# Altium PCB IceZUM_Core_HX1K.PcbDoc (part 2 of 2) (continued)
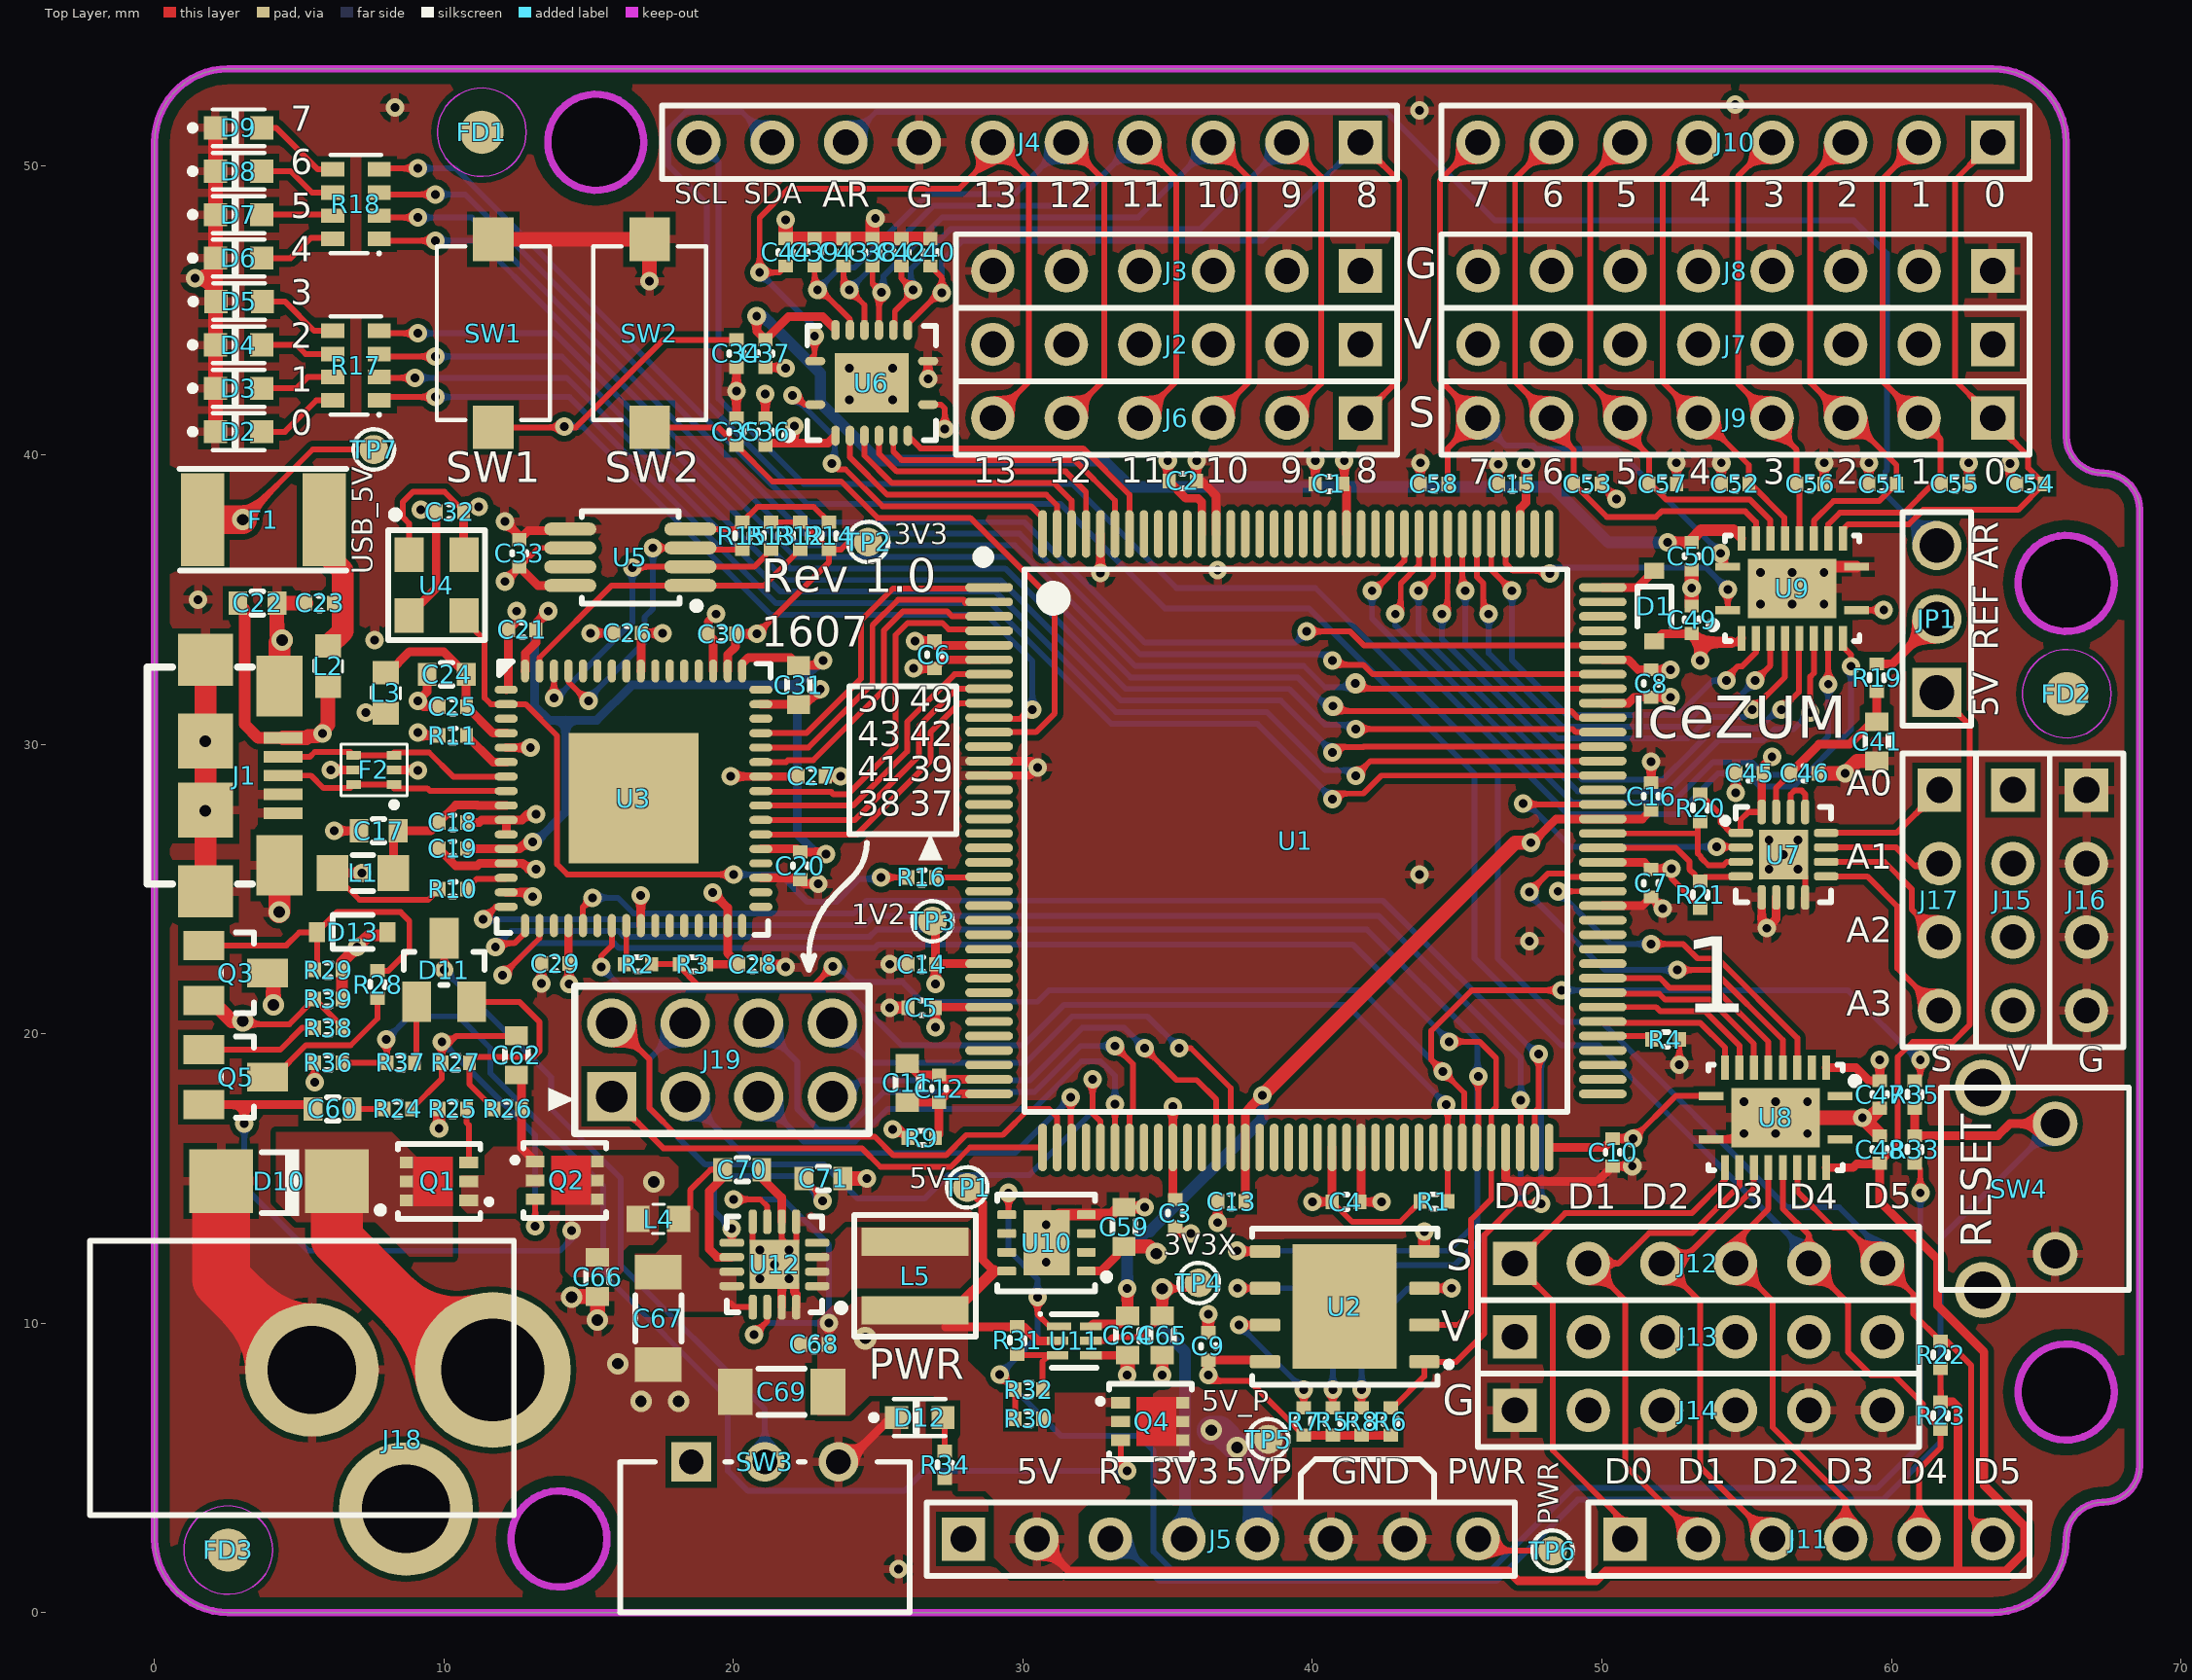
[diagram p0: Top Layer view]
## Nets (pads, with @x,y where several pads share a name; then routed paths per layer and width w, separated by ;. In a path a pad name is that pad's centre, name@x,y a point inside that pad or via, vN(x,y) a via of type N, cw(c..) or ccw(c..) an arc to the next point about the centre after c; other vN are vias at no path point) (continued)
  Bottom Layer w0.2: J19.8@23.408,20.368 24.776,19 30.1,19 31.7,20.6 34.3,20.6 v1(35.4,19.5)
NetJP1_2: JP1.2 R19.1 | length 2.7
  Top Layer w0.3: R19.1@59.5,32.775 60.017,32.775 JP1.2@61.57,34.328
NetL5_1: L5.1 U12.1 U12.2 U12.3
NetQ1_3: Q1.3 R25.1 | length 1.9
  Top Layer w0.2: R25.1@10.775,17.4 10.775,16.925 10.853,16.847 Q1.3@10.853,15.546
NetQ4_3: Q4.3 R36.2 R37.1 | length 40.3
  Top Layer w0.2: R36.2@6.475,19 R37.1@8.025,19 8.025,19.775 v1(8,19.8) ; Q4.3@33.375,5.95 33.375,5.125 v1(33.6,4.9)
  Bottom Layer w0.2: v1(8,19.8) 8.8,20.6 10.5,20.6 11.6,19.5 11.6,18.634 15.5,14.734 15.5,11.7 19.8,7.4 19.8,4.9 20.5,4.2 25.9,4.2 26.6,4.9 v1(33.6,4.9)
NetQ5_1: Q5.1 R38.1 | length 4.1
  Top Layer w0.2: Q5.1@1.7,19.45 4.341,19.45 5.091,20.2 R38.1@5.525,20.2
NetQ5_3: Q5.3 R28.1 | length 5.3
  Top Layer w0.2: Q5.3@3.9,18.5 4.126,18.5 5.226,19.6 6.774,19.6 7.7,20.526 R28.1@7.7,21.225
NetR2_2: R2.2 R3.2 R35.2 U1.66 | length 53.6
  Top Layer w0.2: R2.2@17.175,22.4 R3.2@18.125,22.4 18.125,22.325 18.77,21.68 22.78,21.68 v1(23.425,22.325) ; U1.66@45.177,16.07 45.177,17.225 45.245,17.293 45.245,17.955 v1(44.5,18.7) 44.1,19.1 44.1,20.1 45.5,21.5 v1(48.6,21.5) ; R35.2@60.8,18.375 61,18.575 v1(61,19.1)
  Bottom Layer w0.2: v1(23.425,22.325) 23.643,22.325 24.188,21.78 25.845,21.78 26.52,21.105 30.505,21.105 30.9,21.5 41.7,21.5 v1(44.5,18.7) ; v1(48.6,21.5) 58.5,21.5 60.9,19.1 v1(61,19.1)
NetR4_2: R4.2 U1.77 | length 1.7
  Top Layer w0.2: U1.77@50.027,19.92 51.605,19.92 R4.2@51.725,19.8
NetR7_1: R7.1 U2.7 | length 4.7
  Top Layer w0.2: v1(37.463,9.937) U2.7@38.362,9.937 ; R7.1@39.7,7.075 v1(39.7,7.7)
  Bottom Layer w0.2: v1(37.463,9.937) v1(39.7,7.7)
NetR8_1: R8.1 U2.3 | length 7.2
  Top Layer w0.2: R8.1@41.7,7.075 v1(41.7,7.7)
  Top Layer w0.3: U2.3@43.862,11.207 v1(44.807,11.207)
  Bottom Layer w0.2: v1(41.7,7.7) 41.7,9.6 43.307,11.207 v1(44.807,11.207)
NetR10_1: R10.1 U3.14 | length 1.5
  Top Layer w0.2: R10.1@10.775,25 11.125,25.35 12.111,25.35 U3.14@12.146,25.385
NetR11_1: R11.1 U3.6 | length 1.8
  Top Layer w0.3: R11.1@10.775,30.3 11.69,29.385 U3.6@12.146,29.385
NetR14_1: R14.1 R15.2 U5.4 | length 5.3
  Top Layer w0.2: U5.4@18.507,37.435 20.06,37.435 R15.2@20.3,37.675 20.825,38.2 22.775,38.2 R14.1@23.3,37.675
NetR16_1: R16.1 U3.2 U4.3 | length 23.6
  Top Layer w0.2: U4.3@10.688,34.448 11,34.136 11,34 11.4,33.6 11.4,31.6 11.615,31.385 U3.2@12.146,31.385 12.811,31.385 13.9,30.296 13.9,25.857 14.257,25.5 v1(20,25.5) ; v1(25.1,25.4) R16.1@26.025,25.4
  Bottom Layer w0.2: v1(20,25.5) 21.6,25.5 22.545,24.555 23.555,24.555 24.348,25.348 25.048,25.348 v1(25.1,25.4)
NetR16_2: R16.2 U1.21 | length 1.9
  Top Layer w0.2: R16.2@26.975,25.4 28.807,25.4 U1.21@28.827,25.42
NetR17_1: R17.1 U1.95 | length 48.4
  Top Layer w0.2: R17.1@7.756,41.862 7.894,42 v1(9.7,42) ; v1(40.694,28.112) 40.88,28.298 41.757,28.298 42.379,28.92 U1.95@50.027,28.92
  Bottom Layer w0.2: v1(9.7,42) 14.332,42 21.457,34.875 28.888,34.875 33.052,30.712 38.094,30.712 v1(40.694,28.112)
NetR17_2: R17.2 U1.96 | length 48.2
  Top Layer w0.2: R17.2@7.756,42.662 v1(9,42.662) ; v1(41.5,28.918) 42.002,29.42 U1.96@50.027,29.42
  Bottom Layer w0.2: v1(9,42.662) 14.236,42.662 21.623,35.275 29.054,35.275 33.217,31.112 38.429,31.112 40.437,29.104 41.314,29.104 v1(41.5,28.918)
NetR17_3: R17.3 U1.97 | length 48
  Top Layer w0.2: R17.3@7.756,43.462 7.818,43.4 v1(9.7,43.4) ; v1(40.694,29.724) 40.88,29.91 41.757,29.91 41.767,29.92 U1.97@50.027,29.92
  Bottom Layer w0.2: v1(9.7,43.4) 14.063,43.4 21.788,35.675 29.22,35.675 33.383,31.512 38.906,31.512 v1(40.694,29.724)
NetR17_4: R17.4 U1.98 | length 48
  Top Layer w0.2: R17.4@7.756,44.262 7.818,44.2 v1(9.1,44.2) ; v1(41.5,30.53) 48.992,30.53 49.102,30.42 U1.98@50.027,30.42
  Bottom Layer w0.2: v1(9.1,44.2) 13.829,44.2 21.954,36.075 29.385,36.075 33.549,31.912 39.199,31.912 40.439,30.672 41.358,30.672 v1(41.5,30.53)
NetR18_1: R18.1 U1.99 | length 49.2
  Top Layer w0.2: R18.1@7.756,47.462 7.794,47.5 7.894,47.4 v1(9.7,47.4) ; v6(40.708,31.322) 40.88,31.15 48.938,31.15 49.168,30.92 U1.99@50.027,30.92
  Bottom Layer w0.2: v1(9.7,47.4) 11.195,47.4 13.595,45 22.12,36.475 29.551,36.475 33.714,32.312 39.488,32.312 40.478,31.322 v6(40.708,31.322)
NetR18_2: R18.2 U1.101 | length 49.1
  Top Layer w0.2: R18.2@7.756,48.262 7.818,48.2 v1(9.1,48.2) ; v6(41.486,32.1) 41.666,31.92 U1.101@50.027,31.92
  Bottom Layer w0.2: v1(9.1,48.2) 10.96,48.2 13.76,45.4 22.285,36.875 29.717,36.875 33.88,32.712 39.699,32.712 40.439,31.972 41.358,31.972 v6(41.486,32.1)
NetR18_3: R18.3 U1.102 | length 49.2
  Top Layer w0.2: R18.3@7.756,49.062 7.818,49 v1(9.7,49) ; v1(40.694,32.892) 40.836,32.75 41.755,32.75 42.085,32.42 U1.102@50.027,32.42
  Bottom Layer w0.2: v1(9.7,49) 10.726,49 22.451,37.275 29.883,37.275 34.046,33.112 40.474,33.112 v1(40.694,32.892)
NetR18_4: R18.4 U1.104 | length 49.4
  Top Layer w0.2: R18.4@7.756,49.862 7.794,49.9 v1(9.1,49.9) ; v1(39.8,33.9) 41.298,33.9 41.778,33.42 U1.104@50.027,33.42
  Bottom Layer w0.2: v1(9.1,49.9) 10.392,49.9 22.617,37.675 30.048,37.675 34.211,33.512 39.412,33.512 v1(39.8,33.9)
NetR20_1: R20.1 U1.91 U7.3 | length 6.2
  Top Layer w0.2: U1.91@50.027,26.92 53.298,26.92 ; R20.1@53.318,27.443 53.318,26.225 53.42,26.122 53.42,26.079 53.681,25.818 54.195,25.818 54.315,25.938 U7.3@54.797,25.938
NetR21_1: R21.1 U1.90 U7.4 | length 5.2
  Top Layer w0.2: U1.90@50.027,26.42 52.557,26.42 53.02,25.957 53.02,25.68 R21.1@53.212,25.488 ; R21.1@53.4,25.275 53.543,25.418 54.777,25.418 U7.4@54.797,25.438
NetR31_2: R31.2 R32.1 U11.3 | length 2.6
  Top Layer w0.2: R31.2@29.8,8.925 29.837,8.888 U11.3@31.197,8.888 ; R32.1@30.675,7.7 30.675,8.675 30.8,8.8
NetU1_1: U1.1 U3.45 | length 11.1
  Top Layer w0.2: U3.45@20.946,30.385 22.519,30.385 24.399,32.265 24.399,34.273 25.515,35.389 28.796,35.389 U1.1@28.827,35.42
NetU1_2: U1.2 U3.44 | length 11.3
  Top Layer w0.2: U3.44@20.946,29.885 22.585,29.885 24.799,32.099 24.799,34.107 25.681,34.989 27.947,34.989 27.966,34.97 28.004,34.97 28.004,34.87 28.054,34.92 U1.2@28.827,34.92
NetU1_3: U1.3 U3.43 | length 11.3
  Top Layer w0.2: U3.43@20.946,29.385 21.811,29.385 21.876,29.45 22.75,29.45 24,30.7 25.199,31.899 25.199,33.941 25.847,34.589 27.383,34.589 27.552,34.42 U1.3@28.827,34.42
NetU1_4: U1.4 U3.41 | length 12.9
  Top Layer w0.2: U3.41@20.946,28.385 20.946,28.35 23.373,28.35 23.443,28.28 23.957,28.28 25.6,29.923 25.6,32.361 25.599,32.362 25.599,33.776 26.012,34.189 27.217,34.189 27.436,33.97 28.777,33.97 28.777,33.87 U1.4@28.827,33.92
NetU1_7: U1.7 U3.40 | length 10.4
  Top Layer w0.2: U3.40@20.946,27.885 23,27.885 23.005,27.88 24.122,27.88 26,29.758 26,30.782 27.638,32.42 U1.7@28.827,32.42
NetU1_8: U1.8 U3.39 | length 10.4
  Top Layer w0.2: U3.39@20.946,27.385 24.193,27.385 26.4,29.592 26.4,30.616 27.704,31.92 U1.8@28.827,31.92
NetU1_9: U1.9 U3.38 | length 10.3
  Top Layer w0.2: U3.38@20.946,26.885 24.259,26.885 26.8,29.426 26.8,30.416 27.804,31.42 U1.9@28.827,31.42
NetU1_78: U1.78 U8.9 | length 5.3
  Top Layer w0.2: U1.78@50.027,20.42 50.067,20.38 53.392,20.38 54.25,19.522 U8.9@54.25,18.825
NetU1_79: U1.79 U8.8 | length 6
  Top Layer w0.2: U1.79@50.027,20.92 51.872,20.92 52.012,20.78 53.557,20.78 54.75,19.587 U8.8@54.75,18.825
NetU1_80: U1.80 U8.7 | length 6.8
  Top Layer w0.2: U1.80@50.027,21.42 50.067,21.38 51.978,21.38 52.178,21.18 53.723,21.18 55.25,19.653 U8.7@55.25,18.825
NetU1_81: U1.81 U8.6 | length 7.5
  Top Layer w0.2: U1.81@50.027,21.92 52.003,21.92 52.343,21.58 53.889,21.58 55.75,19.719 U8.6@55.75,18.825
NetU1_87: U1.87 U8.4 | length 12.9
  Top Layer w0.2: v1(48.48,24.92) U1.87@50.027,24.92 ; v1(51.7,23.1) 52.8,23.1 53.3,22.6 54,22.6 56.75,19.85 U8.4@56.75,18.825
  Bottom Layer w0.2: v1(48.48,24.92) 50.3,23.1 v1(51.7,23.1)
NetU1_88: U1.88 U8.5 | length 14.7
  Top Layer w0.2: v1(47.5,24.9) 48.14,25.54 48.737,25.54 48.857,25.42 U1.88@50.027,25.42 ; v1(52.6,22.2) 53.834,22.2 56.25,19.784 U8.5@56.25,18.825
  Bottom Layer w0.2: v1(47.5,24.9) 47.5,24.8 50.1,22.2 v1(52.6,22.2)
NetU1_93: U1.93 U7.2 | length 10.9
  Top Layer w0.2: v1(47.275,27.95) 47.305,27.92 U1.93@50.027,27.92 ; v1(53.96,26.46) 54.775,26.46 U7.2@54.797,26.438
  Bottom Layer w0.2: v1(47.275,27.95) 47.435,27.95 48.925,26.46 v1(53.96,26.46)
NetU1_112: U1.112 U9.1 | length 9.9
  Top Layer w0.2: U1.112@46.677,37.27 46.677,36.241 46.918,36 48.1,36 v1(48.2,35.9) ; U9.1@54.347,34.638 v1(54.347,35.353)
  Bottom Layer w0.2: v1(48.2,35.9) 48.4,36.1 53.6,36.1 v1(54.347,35.353)
NetU1_113: U1.113 U9.3 | length 15.5
  Top Layer w0.2: U1.113@46.177,37.27 46.177,36.024 v1(46.895,35.306) ; v1(54.3,32.2) 54.2,32.2 54.7,32.7 54.848,32.7 55.322,33.174 U9.3@55.322,33.663
  Bottom Layer w0.2: v1(46.895,35.306) 46.895,32.905 48.795,31.005 52.634,31.005 53.829,32.2 v1(54.3,32.2)
NetU1_114: U1.114 U9.4 | length 16.9
  Top Layer w0.2: U1.114@45.677,37.27 45.677,35.789 45.903,35.563 45.903,34.686 v1(46.089,34.5) ; v1(55.3,32.2) 55.822,32.722 U9.4@55.822,33.663
  Bottom Layer w0.2: v1(46.089,34.5) 46.089,33.145 48.629,30.605 52.8,30.605 53.547,31.353 54.453,31.353 v1(55.3,32.2)
NetU1_115: U1.115 U9.5 | length 18.5
  Top Layer w0.2: U1.115@45.177,37.27 45.177,35.412 v1(45.283,35.306) ; v1(55.2,31.2) 56.322,32.322 U9.5@56.322,33.663
  Bottom Layer w0.2: v1(45.283,35.306) 45.283,33.386 48.464,30.205 52.965,30.205 53.705,30.945 54.945,30.945 v1(55.2,31.2)
NetU1_116: U1.116 U9.6 | length 21.4
  Top Layer w0.2: v1(44.477,34.5) 44.663,34.686 44.663,35.563 44.677,35.577 U1.116@44.677,37.27 ; v1(56.2,31.2) 56.8,31.8 56.8,33.641 U9.6@56.822,33.663
  Bottom Layer w0.2: v1(44.477,34.5) 44.477,33.626 49.323,28.78 52.106,28.78 53.125,29.799 53.131,29.805 53.871,30.545 55.403,30.545 55.437,30.58 55.457,30.58 55.977,31.1 56.3,31.1 v1(56.2,31.2)
NetU1_117: U1.117 U9.7 | length 23.2
  Top Layer w0.2: v1(43.671,35.306) 44.177,35.812 U1.117@44.177,37.27 ; v1(57.2,31.1) 57.2,32.333 57.322,32.455 U9.7@57.322,33.663
  Bottom Layer w0.2: v1(43.671,35.306) 43.671,33.866 49.157,28.38 52.272,28.38 54.037,30.145 55.568,30.145 55.603,30.18 55.622,30.18 55.962,30.52 56.62,30.52 v1(57.2,31.1)
NetU1_118: U1.118 U9.8 | length 25.7
  Top Layer w0.2: v1(42.865,34.5) 43.051,34.686 43.051,35.563 43.677,36.189 U1.118@43.677,37.27 ; v1(57.822,32.078) U9.8@57.822,33.663
  Bottom Layer w0.2: v1(42.865,34.5) 42.865,34.107 48.992,27.98 52.437,27.98 53.846,29.388 55.17,29.388 55.618,28.94 56.474,28.94 57.822,30.287 v1(57.822,32.078)
NetU1_119: U1.119 U9.9 | length 27.6
  Top Layer w0.2: v1(42.059,35.306) 42.138,35.306 43.177,36.345 U1.119@43.177,37.27 ; U9.9@58.322,33.663 58.322,33.378 58.6,33.1 v1(58.6,32.7)
  Bottom Layer w0.2: v1(42.059,35.306) 42.059,34.347 48.826,27.58 52.603,27.58 54.011,28.988 55.004,28.988 55.452,28.54 56.64,28.54 58.6,30.5 v1(58.6,32.7)
NetU1_138: U1.138 U6.7 | length 9.9
  Top Layer w0.2: U6.7@26.022,40.663 26.46,40.225 32.075,40.225 33.677,38.623 U1.138@33.677,37.27
NetU1_139: U1.139 U6.6 | length 10.1
  Top Layer w0.2: U6.6@25.522,40.663 25.522,40.109 25.806,39.825 31.775,39.825 33.177,38.423 U1.139@33.177,37.27
NetU1_141: U1.141 U6.5 | length 9.8
  Top Layer w0.2: U6.5@25.022,40.663 25.022,40.044 25.64,39.425 31.475,39.425 32.177,38.723 U1.141@32.177,37.27
NetU1_142: U1.142 U6.4 | length 9.6
  Top Layer w0.2: U6.4@24.522,40.663 24.522,39.978 25.475,39.025 31.075,39.025 31.677,38.423 U1.142@31.677,37.27
NetU1_143: U1.143 U6.3 | length 9.6
  Top Layer w0.2: U6.3@24.022,40.663 24.022,39.912 25.309,38.625 30.8,38.625 31.177,38.248 U1.143@31.177,37.27
NetU1_144: U1.144 U6.1 | length 12.6
  Top Layer w0.2: v1(22.04,42.06) 22.14,42.06 22.462,41.738 U6.1@22.822,41.738 ; v1(23.4,39.7) 23.6,39.5 23.868,39.5 25.143,38.225 30.275,38.225 30.677,37.823 U1.144@30.677,37.27
  GND w0.2: v1(22.04,42.06) v1@22.04,42.096
  Bottom Layer w0.2: v1(22.04,42.06) 22.04,42.053 23.5,40.593 23.5,39.7 v1(23.4,39.7)
NetU7_13: U7.13 U7.14 | length 1.8
  Top Layer w0.2: U7.14@56.522,27.663 56.522,28.272 56.65,28.4 56.9,28.4 57.022,28.278 U7.13@57.022,27.663
POWER: C60.2 C66.2 J5.8 L4.1 Q2.4 Q2.5 Q2.6 Q5.2 TP6.1 | length 57.9
  Top Layer w0.2: J5.8@45.72,2.54 46.122,2.138 TP6.1@48.297,2.138
  Top Layer w0.3: Q5.2@1.7,17.55 3.1,17.55 ; v1(3.1,16.9) 3.1,17.55 ; C60.2@5.475,17.4 5.325,17.55 3.1,17.55
  Power w1: v2(17.25,14.875) 17.25,11.05 20.9,7.4 24.9,7.4 26.28,6.02 34.08,6.02 36.1,4 44.26,4 J5.8@45.72,2.54
  Bottom Layer w0.2: v1(3.1,16.9) 3.1,14.7 5.3,12.5 14,12.5 14.4,12.9 v1(14.4,13.2)
SPI_DI: U1.68 U2.2 U3.18 | length 49.7
  Top Layer w0.2: v1(12.025,22.025) 13.296,23.296 U3.18@13.296,23.735 ; U2.2@43.862,9.937 45.037,9.937 45.477,10.377 45.477,13.577 46.177,14.277 U1.68@46.177,16.07 46.177,17.3 46.345,17.468 46.345,19.155 45.775,19.725 v1(44.725,19.725)
  Bottom Layer w0.2: v1(12.025,22.025) 13.125,23.125 15.876,23.125 16.046,22.955 24.87,22.955 24.99,23.075 41.4,23.075 v1@44.738,19.737
SPI_DO: U1.67 U2.5 U3.17 | length 55.8
  Top Layer w0.2: v1(11.775,23) 11.9,23.125 12.425,23.125 12.796,23.496 U3.17@12.796,23.735 ; U1.67@45.677,16.07 45.725,16.118 v1(45.725,18.525)
  Top Layer w0.3: v1(37.4,12.5) 37.423,12.477 U2.5@38.362,12.477
  Bottom Layer w0.2: v1(11.775,23) 12.325,23.55 16.017,23.55 16.208,23.359 16.335,23.359 16.339,23.355 24.704,23.355 24.949,23.6 41.875,23.6 45.7,19.775 45.7,13.5 44.7,12.5 v1(37.4,12.5)
SPI_SK: R5.1 U1.70 U2.6 U3.16 | length 61.7
  Top Layer w0.2: v1(11.35,23.95) 11.785,24.385 U3.16@12.146,24.385 ; v1(37.407,11.207) U2.6@38.362,11.207 ; R5.1@40.7,7.075 v1(40.7,7.7) ; U1.70@47.177,16.07 47.2,16.093 v1(47.2,17.7)
  Bottom Layer w0.2: v1(11.35,23.95) 16.183,23.95 16.374,23.759 22.21,23.759 22.214,23.755 24.538,23.755 24.858,24.075 42.277,24.075 47.2,19.152 v1(47.2,17.7) 47.2,14.3 44.9,12 42.9,12 42.107,11.207 40.7,11.207 ; v1(37.407,11.207) 40.7,11.207 ; v1(40.7,7.7) 40.7,11.207
USB_5V: F1.2 Q3.2 R38.2 R39.2 TP7.1 | length 29.9
  Top Layer w0.2: v2(3.039,37.761) 5.466,40.188 TP7.1@7.572,40.188 ; v2@3.3,20.4 3.37,20.33 4.655,20.33 R39.2@5.525,21.2 6.475,20.25 R38.2@6.475,20.2
  Top Layer w0.5: Q3.2@1.7,21.15 1.95,21.15 2.661,20.439 v2(3.039,20.439)
  Top Layer w1: F1.2@1.653,37.761 v2(3.039,37.761)
  Power w0.5: 3.039,21.069 3.039,36.661
  Power w0.75: v2(3.039,20.439) 3.039,21.069
  Power w1: 3.039,36.661 v2(3.039,37.761)
USB_N: F2.3 F2.4 J1.2 U3.7 | length 8.3
  Top Layer w0.2: J1.2@4.437,29.569 5.369,29.569 5.533,29.733 6.754,29.733 F2.4@6.874,29.613 F2.3@8.274,29.613 8.274,29.72 9.48,29.72 10.315,28.885 U3.7@12.146,28.885
USB_P: F2.1 F2.6 J1.3 U3.8 | length 8.1
  Top Layer w0.2: J1.3@4.437,28.919 5.404,28.919 5.83,28.493 6.754,28.493 F2.6@6.874,28.613 F2.1@8.274,28.613 8.274,28.48 9.42,28.48 9.515,28.385 U3.8@12.146,28.385
pads on no net: FD1. FD2. FD3. J5.1 J18.2 SW3.1 SW4.3 SW4.4 U1.12 U1.15 U1.16 U1.17 U1.18 U1.19 U1.20 U1.22 U1.23 U1.24 U1.25 U1.26 U1.28 U1.29 U1.31 U1.32 U1.33 U1.34 U1.40 U1.44 U1.45 U1.47 U1.48 U1.52 U1.53 U1.54 U1.55 U1.56 U1.58 U1.60 U1.61 U1.62 U1.63 U1.64 U1.73 U1.74 U1.75 U1.76 U1.82 U1.83 U1.84 U1.85 U1.94 U1.105 U1.106 U1.107 U1.109 U1.110 U1.120 U1.121 U1.122 U1.124 U1.125 U1.126 U1.127 U1.128 U1.129 U1.130 U1.131 U1.134 U1.135 U1.136 U1.137 U2.0 U3.3 U3.19 U3.22 U3.26 U3.27 U3.28 U3.29 U3.30 U3.32 U3.33 U3.34 U3.36 U3.46 U3.48 U3.52 U3.53 U3.54 U3.55 U3.57 U3.58 U3.59 U3.60 U3.65 U5.7 U6.17 U7.7 U8.1 U8.3 U8.18 U8.20 U10.2 U10.3 U10.6 U10.7 U12.4
copper on no net:
  other v5: 24,41.9 25.5,41.9 24,43 25.5,43

## Polygon pours and split planes (outlines as drawn)
GND on GND "GND Layer" (solid, remove dead copper, pour order 21): 0,0 0,53.34 68.58,53.34 68.58,0
GND on GND "DCDC_NoTh" (solid, remove dead copper, pour order 27): 19.939,12.68 19.939,10.8 20.7,10.8 22.8,10.8 22.8,11 22.8,13.3 22.7,13.3 19.939,13.3 19.939,13.261
GND on GND "ADC_NoTh" (solid, remove dead copper, pour order 26): 54.797,26.84 54.797,24.96 55.558,24.96 57.658,24.96 57.658,25.16 57.658,27.46 57.558,27.46 54.797,27.46 54.797,27.421
GND on Top Layer "GND_TOP" (solid, remove dead copper, pour order 39): 0,0 0,52 1.3,53.3 68.9,53.3 68.9,0.9 68,0
+5V_P on Top Layer "5VP" (solid, remove dead copper, pour order 36): 34.5,7.8 34.5,4.4 35.2,3.7 38.1,3.7 38.1,3.8 39.1,4.8 39.1,7.8
NetC62_2 on Top Layer "VIN_1" (solid, remove dead copper, pour order 25): 10.6,14 10.8,13.8 11.7,13.8 12.5,13.8 12.5,14.6 12.6,14.7 12.8,14.7 13.3,14.7 13.4,14.8 13.4,15.9 13.2,16.1 11.7,16.1 11.4,15.8 11.4,15.2 11.4,15.1 10.6,15.1
NetD10_K on Top Layer "VIN_2" (solid, remove dead copper, pour order 28): 4.2,16.6 8.2,16.6 9.1,15.7 10.3,14.5 10.3,12.3 8.8,12.3 7.7,13.4 7.6,13.5 4.9,13.5 4.2,14.2
POWER on Top Layer "VIN_3" (solid, remove dead copper, pour order 29): 14.2,15.8 17.7,15.8 18.1,15.4 18.1,14.8 18.1,14.7 17.8,14.4 17.4,14.4 17.4,12.9 17.2,12.7 16.5,12.7 16.4,12.7 16.2,12.5 16.2,11.8 16,11.6 15.9,11.6 14.4,11.6 14.2,11.8
NetC67_2 on Top Layer "VIN_4" (solid, remove dead copper, pour order 32): 16.6,12.4 17.3,12.4 17.7,12.8 17.7,14 18.6,14 18.8,13.8 18.8,12.3 19.2,11.9 20.1,11.9 20.1,10.6 19.9,10.4 19.5,10.4 17,10.4 16.7,10.7 16.6,10.8
GND on Top Layer "DCDC" (solid, remove dead copper, pour order 34): 15.4,9.2 16.2,10 19.9,10 21.3,10 21.5,10.2 21.7,10.4 22.7,10.4 22.9,10.2 22.9,8.8 22.9,6.9 22.5,6.5 16.1,6.5 15.8,6.5 15.4,6.9
NetL5_1 on Top Layer "DCDC" (solid, remove dead copper, pour order 35): 22.889,12.278 23.911,13.3 24.8,13.3 28.1,13.3 28.2,13.2 28.2,11.4 28,11.2 24.2,11.2 24.1,11.2 23.8,10.9 23.1,10.9 22.9,11.1
+5V on Top Layer "DCDC" (solid, remove dead copper, pour order 33): 22.9,8.4 22.9,10.1 23.4,10.6 24,10.6 24.3,10.9 28.1,10.9 28.1,8.7 27,7.6 26.9,7.5 24.7,7.5 24,6.8 22.9,6.8
+5V on Top Layer "DC_5V" (solid, remove dead copper, pour order 30): 26.9,7.5 27.3,7.1 27.3,4.2 28.7,4.2 29,3.9 29,1.9 29.6,1.3 31,1.3 31.3,1.3 31.9,1.9 31.9,2.2 31.9,3.4 32.4,3.9 33.5,3.9 33.7,4.1 33.7,6.8 33.7,7.5 33.5,7.7 33.4,7.6 29.3,7.6 29.2,7.6 28.1,8.7
+5V_P on Power "5VP_2" (solid, remove dead copper, pour order 37): 35.2,7.4 35.2,5.6 36.3,4.5 44.2,4.5 46.65,2.05 47.9,3.3 57.6,3.3 64.1,3.3 66.4,5.6 66.3,5.7 66.3,38.7 65.1,39.9 65.1,49.3 64.4,50 63.2,50 28.8,50 27.3,48.5 27.3,42.5 27.3,42.3 28.1,41.5 45.3,41.5 46.4,41.5 50.6,37.3 50.8,37.1 58.8,37.1 61.4,34.5 61.2,34.3 61.2,16.8 59.8,15.4 45.539,15.4 37.539,7.4
+3V3 on Power "PWR_3V3" (solid, remove dead copper, pour order 31): 5.4,36.363 5.4,24.3 8.5,21.2 9.5,20.2 22.4,20.2 35.2,7.4 37.1,7.4 45.4,15.7 59.5,15.7 60.8,17 60.8,34.6 59.5,35.9 46,35.9 44.475,37.425 44.475,41.15 27.45,41.15 27.2,41.9 10.937,41.9
GND on Power "GND_TOP" (solid, remove dead copper, pour order 40): 0,0 0,52 1.3,53.3 68.9,53.3 68.9,0.9 68,0
GND on Power "DCDC_NoTh" (solid, remove dead copper, pour order 24): 19.939,12.68 19.939,10.8 20.7,10.8 22.8,10.8 22.8,11 22.8,14.7 19.939,14.7 19.939,13.261
GND on Bottom Layer "GND_BOT" (solid, remove dead copper, pour order 38): 0,0 0,52 1.3,53.3 68.9,53.3 68.9,0.9 68,0
GND on Bottom Layer "DCDC_NoTh" (solid, remove dead copper, pour order 23): 19.939,12.68 19.939,10.8 20.7,10.8 22.8,10.8 22.8,11 22.8,13.3 22.7,13.3 19.939,13.3 19.939,13.261
GND on Bottom Layer "ADC_NoTh" (solid, remove dead copper, pour order 22): 54.797,26.84 54.797,24.96 55.558,24.96 57.658,24.96 57.658,25.16 57.658,27.46 57.558,27.46 54.797,27.46 54.797,27.421

## Keep-outs
Keep-Out Layer:
  circle w0.254: c15.24,50.8 r1.659
  circle w0.254: c66.04,35.56 r1.659
  circle w0.254: c66.04,7.62 r1.659
  circle w0.254: c13.97,2.54 r1.659
  lines w0.254: 66.04,2.54 cw(c67.31,2.54) 67.31,3.81 ; 66.04,2.54 cw(c63.5,2.54) 63.5,0 2.54,0 cw(c2.54,2.54) 0,2.54 0,50.8 cw(c2.54,50.8) 2.54,53.34 63.5,53.34 cw(c63.5,50.8) 66.04,50.8 66.04,40.64 ; 66.04,2.54 66.04,2.54 ; 66.04,40.64 ccw(c67.31,40.64) 67.31,39.37 cw(c67.31,38.1) 68.58,38.1 ; 66.04,40.64 66.04,40.64 ; 67.31,3.81 ccw(c67.31,5.08) 68.58,5.08 ; 67.31,3.81 67.31,3.81 ; 68.58,5.08 68.58,38.1 ; 68.58,5.08 68.58,5.08 ; 68.58,38.1 68.58,38.1

## Other copper
Top Layer:
  pour cut-out: 8.088,36 8.088,33.684 8.3,33.684 8.3,36
  pour cut-out: 19.143,32.275 20.325,32.275 20.7,31.9 20.7,31.1 19.2,31.1 18.991,31.309 18.991,31.996
  pour cut-out: 11.175,35.95 11.175,34.902 11.388,34.902 11.725,35.239 11.725,36

## Silkscreen, mask and mechanical layers (free items; w line width, h text height)
Top Overlay:
  region: 26.8,26.9 26.4,26 27.2,26
  region: 14.513,17.725 13.613,18.125 13.613,17.325
  lines w0.2: 22.4,22.7 22.6,22.2 ; 24.6,26.6 cw(c22.91,26.6) 24.105,25.405 23.498,24.798 ccw(c25.666,22.63) 22.6,22.63 22.6,22.2 ; 39.6,3.81 39.6,4.8 40.1,5.3 43.7,5.3 44.2,4.8 44.2,3.81 ; 22.6,22.2 22.8,22.7 22.6,22.2 ; 24,26.9 27.7,26.9 27.7,27.1 27.7,32 24,32 24,26.9
  text "7" at 4.7,50.9 h1.5
  text "6" at 4.7,49.4 h1.5
  text "SCL" at 17.96,48.453 h1.2
  text "SDA" at 20.366,48.453 h1.2
  text "AR" at 23.071,48.28 h1.5
  text "11" at 33.393,48.279 h1.5
  text "7" at 45.4,48.275 h1.5
  text "6" at 47.942,48.275 h1.5
  text "5" at 50.483,48.275 h1.5
  text "4" at 53.025,48.275 h1.5
  text "3" at 55.575,48.275 h1.5
  text "2" at 58.117,48.275 h1.5
  text "1" at 60.65,48.275 h1.5
  text "0" at 63.2,48.275 h1.5
  text "G" at 25.976,48.271 h1.5
  text "13" at 28.282,48.271 h1.5
  text "12" at 30.887,48.271 h1.5
  text "10" at 35.999,48.271 h1.5
  text "9" at 38.904,48.271 h1.5
  text "8" at 41.51,48.271 h1.5
  text "5" at 4.7,47.9 h1.5
  text "4" at 4.7,46.4 h1.5
  text "G" at 43.2,45.746 h1.8
  text "3" at 4.7,44.9 h1.5
  text "2" at 4.7,43.4 h1.5
  text "V" at 43.15,43.3 h1.8
  text "1" at 4.7,41.9 h1.5
  text "S" at 43.314,40.6 h1.8
  text "0" at 4.7,40.4 h1.5
  text "11" at 33.393,38.754 h1.5
  text "13" at 28.282,38.746 h1.5
  text "12" at 30.887,38.746 h1.5
  text "10" at 36.299,38.746 h1.5
  text "9" at 38.904,38.746 h1.5
  text "8" at 41.51,38.746 h1.5
  text "SW1" at 10.064,38.703 h1.8
  text "SW2" at 15.564,38.703 h1.8
  text "7" at 45.4,38.7 h1.5
  text "6" at 47.942,38.7 h1.5
  text "5" at 50.483,38.7 h1.5
  text "4" at 53.025,38.7 h1.5
  text "3" at 55.575,38.7 h1.5
  text "2" at 58.117,38.7 h1.5
  text "1" at 60.65,38.7 h1.5
  text "0" at 63.2,38.7 h1.5
  text "3V3" at 25.545,36.685 h1.2
  text "AR" at 63.975,36.04 h1.5 r90
  text "USB_5V" at 7.765,35.87 h1.2 r90
  text "Rev 1.0" at 20.955,34.875 h2
  text "REF" at 63.975,33.24 h1.5 r90
  text "1607" at 20.951,33.026 h1.8
  text "5V" at 63.975,30.94 h1.5 r90
  text "50" at 24.27,30.835 h1.5
  text "49" at 26.07,30.835 h1.5
  text "IceZUM" at 50.975,29.725 h2.5
  text "43" at 24.27,29.635 h1.5
  text "42" at 26.07,29.635 h1.5
  text "41" at 24.27,28.435 h1.5
  text "39" at 26.07,28.435 h1.5
  text "A0" at 58.45,27.945 h1.5
  text "38" at 24.27,27.235 h1.5
  text "37" at 26.07,27.235 h1.5
  text "A1" at 58.45,25.415 h1.5
  text "1V2" at 24.07,23.535 h1.2
  text "A2" at 58.45,22.868 h1.5
  text "A3" at 58.45,20.33 h1.5
  text "1" at 52.775,19.875 h4.5
  text "S" at 61.354,18.421 h1.5
  text "V" at 64,18.425 h1.5
  text "G" at 66.45,18.4 h1.5
  text "5V" at 26.07,14.435 h1.2
  text "D0" at 46.26,13.671 h1.5
  text "D1" at 48.81,13.66 h1.5
  text "D2" at 51.36,13.66 h1.5
  text "D3" at 53.91,13.671 h1.5
  text "D4" at 56.46,13.66 h1.5
  text "D5" at 59.01,13.671 h1.5
  text "RESET" at 63.8,12.6 h1.8 r90
  text "3V3X" at 34.87,12.135 h1.2
  text "S" at 44.614,11.475 h1.8
  text "V" at 44.45,9.025 h1.8
  text "PWR" at 24.664,7.703 h1.8
  text "5V_P" at 36.17,6.735 h1.2
  text "G" at 44.5,6.471 h1.8
  text "5V" at 29.77,4.16 h1.5
  text "R" at 32.59,4.171 h1.5
  text "3V3" at 34.44,4.16 h1.5
  text "5VP" at 36.99,4.16 h1.5
  text "GND" at 40.64,4.171 h1.5
  text "PWR" at 44.64,4.171 h1.5
  text "D0" at 50.07,4.171 h1.5
  text "D1" at 52.62,4.16 h1.5
  text "D2" at 55.17,4.16 h1.5
  text "D3" at 57.72,4.171 h1.5
  text "D4" at 60.27,4.16 h1.5
  text "D5" at 62.82,4.171 h1.5
  text "PWR" at 48.726,3.026 h1.2 r90
Bottom Overlay:
  region: 24.85,1.05 24.85,2.5 25.7,1.8
  region: 17.4,2.5 17.4,1.05 16.55,1.75
  lines w0.1: 0.72,4.67 0.72,10.84 2.5,10.84 2.5,4.67 0.72,4.67
  text "2" at 15.225,37.8 h11
  text "1" at 10.85,35.725 h6
  text "IceZUM" at 40.224,29.258 h7
  text "Designed & Assembled" at 40.165,27.269 h2.2
  text "in Spain - bq.com" at 40.191,25.561 h2.2
  text "r" at 29.1,8.8 h6
  text "5" at 38,8.75 h6
  text "w" at 35.2,8.7 h6
  text "6 - 17 V" at 1.026,4.999 h2 r270
  text "IOREF" at 31.95,3.65 h1.4
  text "OFF/ON" at 24.261,1.173 h2
Mechanical 1:
  the board outline again, w0.254